# KiCad board mist.kicad_pcb (continued)
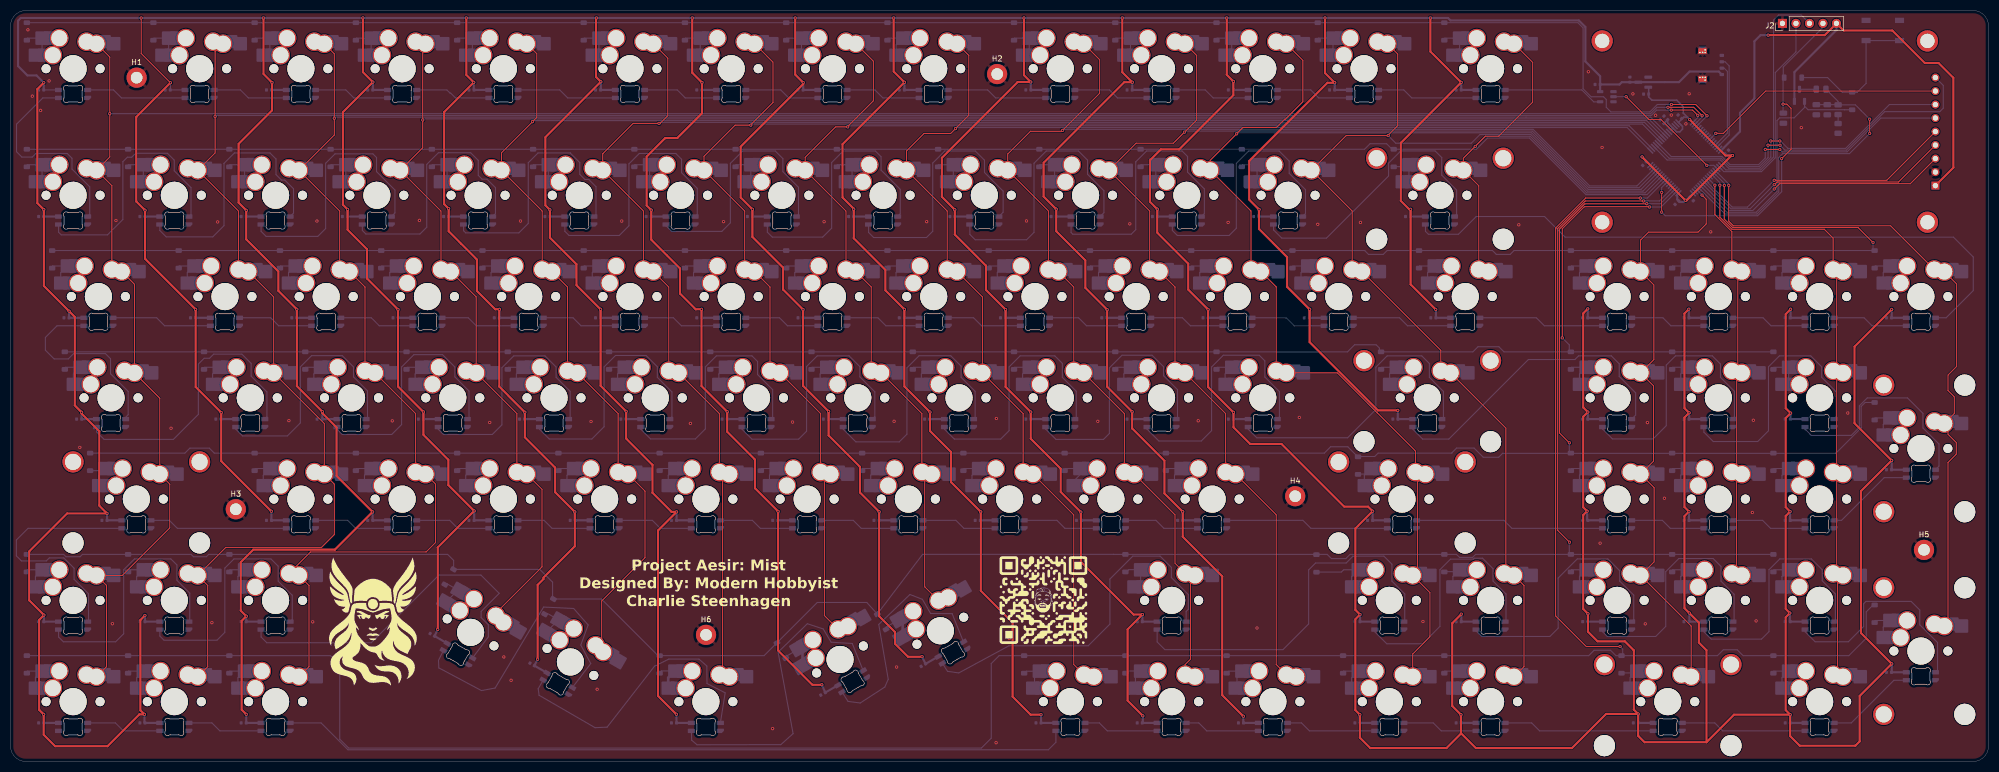
[diagram p0: board, top side]
## Placement (name value [footprint] x y rotation side) (continued)
LED88  choc_SK6812MINI-E  [LED_choc_6028R]  259.4 25.53 0 bottom
LED89  choc_SK6812MINI-E  [LED_choc_6028R]  278.45 25.53 0 bottom
LED90  choc_SK6812MINI-E  [LED_choc_6028R]  302.26 25.53 0 bottom
LED91  choc_SK6812MINI-E  [LED_choc_6028R]  321.31 25.53 0 bottom
LED92  choc_SK6812MINI-E  [LED_choc_6028R]  340.36 25.53 0 bottom
LED93  choc_SK6812MINI-E  [LED_choc_6028R]  11.75 6.48 0 bottom
LED94  choc_SK6812MINI-E  [LED_choc_6028R]  30.8 6.48 0 bottom
LED95  choc_SK6812MINI-E  [LED_choc_6028R]  49.85 6.48 0 bottom
LED96  choc_SK6812MINI-E  [LED_choc_6028R]  199.39 6.48 0 bottom
LED97  choc_SK6812MINI-E  [LED_choc_6028R]  218.44 6.48 0 bottom
LED98  choc_SK6812MINI-E  [LED_choc_6028R]  237.49 6.48 0 bottom
LED99  choc_SK6812MINI-E  [LED_choc_6028R]  259.4 6.48 0 bottom
LED100  choc_SK6812MINI-E  [LED_choc_6028R]  278.45 6.48 0 bottom
LED101  choc_SK6812MINI-E  [LED_choc_6028R]  311.79 6.48 0 bottom
LED102  choc_SK6812MINI-E  [LED_choc_6028R]  340.36 6.48 0 bottom
LED103  choc_SK6812MINI-E  [LED_choc_6028R]  359.41 16.01 0 bottom
Q3  MMUN2133LT1G  [SOT-23-3]  336.57 125.29 90 bottom
R7  120  [R_0805_2012Metric]  340.64 126.42 0 bottom
R8  68k  [R_0805_2012Metric]  343.84 122.58 90 bottom
R9  68k  [R_0805_2012Metric]  343.84 119.06 270 bottom
RESET1  DFU  [SW_SPST_TL3342]  352.25 137.49 180 bottom
S1  MX_stab  [STAB_MX_P_2.25u]  266.54 68.39 0 top
S2  MX_stab  [STAB_MX_P_2.75u]  261.77 49.33 0 top
S3  MX_stab  [STAB_MX_P_2.25u]  23.65 49.35 0 top
S4  MX_stab  [STAB_MX_P_2u]  268.93 106.47 0 top
S5  MX_stab  [STAB_MX_P_2u]  311.78 11.22 0 top
S6  MX_stab  [STAB_MX_P_2u]  359.4 58.86 90 top
S7  MX_stab  [STAB_MX_P_2u]  359.41 20.75 90 top
U3  XC6206PxxxMR-Regulator_Linear  [SOT-23]  307.18 127.76 180 bottom
U4  -  [CR2013-MI2120]  362.15 108.31 180 top
U5  STM32G474RETx  [LQFP-64_10x10mm_P0.5mm]  315.16 113.52 45 bottom
U6  SN74AHCT1G125DBVR  [SOT95P280X145-5N]  300.32 125.03 180 bottom

## Library data of the parts
C1-C103 = -: Description: Unpolarized capacitor; ki_fp_filters: C_*
C104-C110 C112 C127 C128 = -: LCSC: C307331; ki_fp_filters: C_*
C120 C121 C130 = -: ki_fp_filters: C_*
CH1-CH103 = -: Description: Push button switch, normally open, two pins, 45° tilted
D1-D39 D42-D105 = -: Description: Diode; Sim.Pins: 1=K 2=A; ki_fp_filters: TO-???* *_Diode_* *SingleDiode* D_*
D40 D41 = -: ki_fp_filters: TO-???* *_Diode_* *SingleDiode* D_*
H1-H6 = -: Description: Mounting Hole with connection; ki_fp_filters: MountingHole*Pad*
J1 = -: Manufacturer: MOLEX; LCSC Part Number: C588524; ki_fp_filters: Connector*:*_1x??-1MP*
J2 = -: Description: Generic connector, single row, 01x05, script generated (kicad-library-utils/schlib/autogen/connector/); ki_fp_filters: Connector*:*_1x??_*
LED1-LED103 = -: Description: Reverse mount adressable LED (WS2812 protocol)
R7-R9 = -: ki_fp_filters: R_*
S1-S7 = -: Description: Cherry MX-style stabilizer
U3 = -: Datasheet: https://www.torexsemi.com/file/xc6206/XC6206.pdf; LCSC: C5446; ki_fp_filters: SOT?23*
U4 = -: Datasheet: http://pan.baidu.com/s/11Y990; Description: ILI9341 controller, SPI TFT LCD Display, 9-pin breakout PCB, 4-pin SD card interface, 5V/3.3V; ki_fp_filters: *CR2013*MI2120*
U5 = -: Datasheet: https://www.st.com/resource/en/datasheet/stm32g474re.pdf; Description: STMicroelectronics Arm Cortex-M4 MCU, 512KB flash, 128KB RAM, 170 MHz, 1.71-3.6V, 52 GPIO, LQFP64; ki_fp_filters: LQFP*10x10mm*P0.5mm*
U6 = -: MF: Texas Instruments; Description_1: Single 4.5-V to 5.5-V buffer with TTL-compatible CMOS inputs and 3-state outputs; Package: SOT-23-5 Texas Instruments; Price: None; SnapEDA_Link: https://www.snapeda.com/parts/SN74AHCT1G125DBVR/Texas+Instruments/view-part/?ref=snap; Availability: In Stock; Check_prices: https://www.snapeda.com/parts/SN74AHCT1G125DBVR/Texas+Instruments/view-part/?ref=eda

## Footprints (pads in the part's own frame, mm; a bottom-side part is the same pattern mirrored in y, then rotated)
C_0402_1005Metric
  rrect 0.56x0.62 smd: 1(-0.48,0) 2(0.48,0)
C_0805_2012Metric
  rrect 1x1.45 smd: 1(-0.95,0) 2(0.95,0)
CR2013-MI2120
  round 4 hole 2.7: (1.5,6.89) (1.5,-27.21) (62.7,6.89) (62.7,-27.21)
  rect 1.5x1.5 hole 1: 1(0,0)
  round 1.5 hole 1: 2(0,-2.54) 3(0,-5.08) 4(0,-7.62) 5(0,-10.16) 6(0,-12.7) 7(0,-15.24) 8(0,-17.78) 9(0,-20.32)
D_SOD-123
  rrect 0.9x1.2 smd: 1(-1.65,0) 2(1.65,0)
KS-33_MX-Hotswap-1U
  round 1.702 hole 1.702 unplated: (-5.08,0) (5.08,0)
  round 3.988 hole 3.988 unplated: (0,0)
  round 5.1 hole 5.1 unplated: (0.005,0.005)
  round 3.5 hole 3: 1(2.54,-5.08) 1(4.405,-4.695) 2(-3.81,-2.54) 2(-2.595,-5.745)
  rrect 2.55x2.5 smd: 1(5.842,-5.08) 2(-7.085,-2.54)
  rrect 2.55x2.55 smd: 1(7.643,-4.695) 2(-5.832,-5.745)
  rrect 2.065x2.5 smd: 2(-5.603,-2.54)
  rrect 1.755x2.555 smd: 2(-4.638,-5.758)
LED_choc_6028R
  rrect 1.35x0.82 smd: 1(-2.725,-0.75) 2(-2.725,0.75) 3(2.725,-0.75) 4(2.725,0.75)
LQFP-64_10x10mm_P0.5mm
  rrect 1.55x0.3 smd: 1(-5.675,3.75) 2(-5.675,3.25) 3(-5.675,2.75) 4(-5.675,2.25) 5(-5.675,1.75) 6(-5.675,1.25) 7(-5.675,0.75) 8(-5.675,0.25) 9(-5.675,-0.25) 10(-5.675,-0.75) 11(-5.675,-1.25) 12(-5.675,-1.75) 13(-5.675,-2.25) 14(-5.675,-2.75) 15(-5.675,-3.25) 16(-5.675,-3.75) 33(5.675,-3.75) 34(5.675,-3.25) 35(5.675,-2.75) 36(5.675,-2.25) 37(5.675,-1.75) 38(5.675,-1.25) 39(5.675,-0.75) 40(5.675,-0.25) 41(5.675,0.25) 42(5.675,0.75) 43(5.675,1.25) 44(5.675,1.75) 45(5.675,2.25) 46(5.675,2.75) 47(5.675,3.25) 48(5.675,3.75)
  rrect 0.3x1.55 smd: 17(-3.75,-5.675) 18(-3.25,-5.675) 19(-2.75,-5.675) 20(-2.25,-5.675) 21(-1.75,-5.675) 22(-1.25,-5.675) 23(-0.75,-5.675) 24(-0.25,-5.675) 25(0.25,-5.675) 26(0.75,-5.675) 27(1.25,-5.675) 28(1.75,-5.675) 29(2.25,-5.675) 30(2.75,-5.675) 31(3.25,-5.675) 32(3.75,-5.675) 49(3.75,5.675) 50(3.25,5.675) 51(2.75,5.675) 52(2.25,5.675) 53(1.75,5.675) 54(1.25,5.675) 55(0.75,5.675) 56(0.25,5.675) 57(-0.25,5.675) 58(-0.75,5.675) 59(-1.25,5.675) 60(-1.75,5.675) 61(-2.25,5.675) 62(-2.75,5.675) 63(-3.25,5.675) 64(-3.75,5.675)
Molex_Pico-EZmate_78171-0004_1x04-1MP_P1.20mm_Vertical
  rrect 0.6x0.85 smd: 1(-1.8,1.875) 2(-0.6,1.875) 3(0.6,1.875) 4(1.8,1.875)
  rrect 0.7x0.8 smd: MP(-2.95,-1.9) MP(2.95,-1.9)
  round 0.6 hole 0.3: MP(-2.85,-1.25) MP(-2.35,-2.25) MP(-2.35,-1.75) MP(-2.35,-1.25) MP(2.35,-2.25) MP(2.35,-1.75) MP(2.35,-1.25) MP(2.85,-1.25)
  rrect 1.4x1.6 smd: MP(-2.75,-1.75) MP(2.75,-1.75)
  rrect 1.1x1.6 smd far side: MP(-2.6,-1.75) MP(2.6,-1.75)
MountingHole_2.2mm_M2_DIN965_Pad
  round 3.8 hole 2.2: 1(0,0)
PinHeader_1x05_P2.54mm_Vertical
  rect 1.7x1.7 hole 1: 1(0,0)
  oval 1.7x1.7 hole 1: 2(0,-2.54) 3(0,-5.08) 4(0,-7.62) 5(0,-10.16)
R_0805_2012Metric
  rrect 1.025x1.4 smd: 1(-0.912,0) 2(0.912,0)
SOT95P280X145-5N
  rrect 1.21x0.59 smd: 1(-1.255,0.95) 2(-1.255,0) 3(-1.255,-0.95) 4(1.255,-0.95) 5(1.255,0.95)
SOT-23
  rrect 1.475x0.6 smd: 1(-0.938,0.95) 2(-0.938,-0.95) 3(0.938,0)
SOT-23-3
  rrect 1.325x0.6 smd: 1(-1.137,0.95) 2(-1.137,-0.95) 3(1.137,0)
STAB_MX_P_2.25u
  round 4 hole 3.048: (-11.906,6.985) (11.906,6.985)
  round 3.988 hole 3.988 unplated: (-11.906,-8.255) (11.906,-8.255)
STAB_MX_P_2.75u
  round 4 hole 3.048: (-11.906,6.985) (11.906,6.985)
  round 3.988 hole 3.988 unplated: (-11.906,-8.255) (11.906,-8.255)
STAB_MX_P_2u
  round 4 hole 3.048: (-11.906,6.985) (11.906,6.985)
  round 3.988 hole 3.988 unplated: (-11.906,-8.255) (11.906,-8.255)
SW_SPST_TL3342
  rect 1.7x1 smd: 1(-3.15,1.9) 1(3.15,1.9) 2(-3.15,-1.9) 2(3.15,-1.9)

## Nets
+3V3: C104.1 C105.1 C106.1 C107.1 C108.1 C109.1 C110.1 C128.1 J2.5 Q3.2 U3.2 U4.1 U5.1 U5.16 U5.28 U5.29 U5.32 U5.48 U5.64
+5V: C1.1 C2.1 C3.1 C4.1 C5.1 C6.1 C7.1 C8.1 C9.1 C10.1 C11.1 C12.1 C13.1 C14.1 C15.1 C16.1 C17.1 C18.1 C19.1 C20.1 C21.1 C22.1 C23.1 C24.1 C25.1 C26.1 C27.1 C28.1 C29.1 C30.1 C31.1 C32.1 C33.1 C34.1 C35.1 C36.1 C37.1 C38.1 C39.1 C40.1 C41.1 C42.1 C43.1 C44.1 C45.1 C46.1 C47.1 C48.1 C49.1 C50.1 C51.1 C52.1 C53.1 C54.1 C55.1 C56.1 C57.1 C58.1 C59.1 C60.1 C61.1 C62.1 C63.1 C64.1 C65.1 C66.1 C67.1 C68.1 C69.1 C70.1 C71.1 C72.1 C73.1 C74.1 C75.1 C76.1 C77.1 C78.1 C79.1 C80.1 C81.1 C82.1 C83.1 C84.1 C85.1 C86.1 C87.1 C88.1 C89.1 C90.1 C91.1 C92.1 C93.1 C94.1 C95.1 C96.1 C97.1 C98.1 C99.1 C100.1 C101.1 C102.1 C103.1 C112.1 C127.1 J1.1 LED1.1 LED2.1 LED3.1 LED4.1 LED5.1 LED6.1 LED7.1 LED8.1 LED9.1 LED10.1 LED11.1 LED12.1 LED13.1 LED14.1 LED15.1 LED16.1 LED17.1 LED18.1 LED19.1 LED20.1 LED21.1 LED22.1 LED23.1 LED24.1 LED25.1 LED26.1 LED27.1 LED28.1 LED29.1 LED30.1 LED31.1 LED32.1 LED33.1 LED34.1 LED35.1 LED36.1 LED37.1 LED38.1 LED39.1 LED40.1 LED41.1 LED42.1 LED43.1 LED44.1 LED45.1 LED46.1 LED47.1 LED48.1 LED49.1 LED50.1 LED51.1 LED52.1 LED53.1 LED54.1 LED55.1 LED56.1 LED57.1 LED58.1 LED59.1 LED60.1 LED61.1 LED62.1 LED63.1 LED64.1 LED65.1 LED66.1 LED67.1 LED68.1 LED69.1 LED70.1 LED71.1 LED72.1 LED73.1 LED74.1 LED75.1 LED76.1 LED77.1 LED78.1 LED79.1 LED80.1 LED81.1 LED82.1 LED83.1 LED84.1 LED85.1 LED86.1 LED87.1 LED88.1 LED89.1 LED90.1 LED91.1 LED92.1 LED93.1 LED94.1 LED95.1 LED96.1 LED97.1 LED98.1 LED99.1 LED100.1 LED101.1 LED102.1 LED103.1 U3.3 U6.5
GND: C1.2 C2.2 C3.2 C4.2 C5.2 C6.2 C7.2 C8.2 C9.2 C10.2 C11.2 C12.2 C13.2 C14.2 C15.2 C16.2 C17.2 C18.2 C19.2 C20.2 C21.2 C22.2 C23.2 C24.2 C25.2 C26.2 C27.2 C28.2 C29.2 C30.2 C31.2 C32.2 C33.2 C34.2 C35.2 C36.2 C37.2 C38.2 C39.2 C40.2 C41.2 C42.2 C43.2 C44.2 C45.2 C46.2 C47.2 C48.2 C49.2 C50.2 C51.2 C52.2 C53.2 C54.2 C55.2 C56.2 C57.2 C58.2 C59.2 C60.2 C61.2 C62.2 C63.2 C64.2 C65.2 C66.2 C67.2 C68.2 C69.2 C70.2 C71.2 C72.2 C73.2 C74.2 C75.2 C76.2 C77.2 C78.2 C79.2 C80.2 C81.2 C82.2 C83.2 C84.2 C85.2 C86.2 C87.2 C88.2 C89.2 C90.2 C91.2 C92.2 C93.2 C94.2 C95.2 C96.2 C97.2 C98.2 C99.2 C100.2 C101.2 C102.2 C103.2 C104.2 C105.2 C106.2 C107.2 C108.2 C109.2 C110.2 C112.2 C120.1 C121.1 C127.2 C128.2 C130.1 H1.1 H2.1 H3.1 H4.1 H5.1 H6.1 J1.4 J1.MP J2.1 LED1.4 LED2.4 LED3.4 LED4.4 LED5.4 LED6.4 LED7.4 LED8.4 LED9.4 LED10.4 LED11.4 LED12.4 LED13.4 LED14.4 LED15.4 LED16.4 LED17.4 LED18.4 LED19.4 LED20.4 LED21.4 LED22.4 LED23.4 LED24.4 LED25.4 LED26.4 LED27.4 LED28.4 LED29.4 LED30.4 LED31.4 LED32.4 LED33.4 LED34.4 LED35.4 LED36.4 LED37.4 LED38.4 LED39.4 LED40.4 LED41.4 LED42.4 LED43.4 LED44.4 LED45.4 LED46.4 LED47.4 LED48.4 LED49.4 LED50.4 LED51.4 LED52.4 LED53.4 LED54.4 LED55.4 LED56.4 LED57.4 LED58.4 LED59.4 LED60.4 LED61.4 LED62.4 LED63.4 LED64.4 LED65.4 LED66.4 LED67.4 LED68.4 LED69.4 LED70.4 LED71.4 LED72.4 LED73.4 LED74.4 LED75.4 LED76.4 LED77.4 LED78.4 LED79.4 LED80.4 LED81.4 LED82.4 LED83.4 LED84.4 LED85.4 LED86.4 LED87.4 LED88.4 LED89.4 LED90.4 LED91.4 LED92.4 LED93.4 LED94.4 LED95.4 LED96.4 LED97.4 LED98.4 LED99.4 LED100.4 LED101.4 LED102.4 LED103.4 R9.2 RESET1.1 U3.1 U4.2 U5.15 U5.27 U5.31 U5.47 U5.63 U6.1 U6.3
BOOT0: C120.2 C121.2 R7.2 R8.2 U5.61
BOOT0_CHRG: D40.2 Q3.1 U5.60
col0: CH1.1 CH15.1 CH29.1 CH47.1 CH63.1 CH79.1 CH93.1 U5.34
col1: CH2.1 CH16.1 CH30.1 CH48.1 CH64.1 CH80.1 CH94.1 U5.33
col2: CH3.1 CH17.1 CH31.1 CH49.1 CH65.1 CH81.1 CH95.1 U5.26
col3: CH4.1 CH18.1 CH32.1 CH50.1 CH66.1 CH82.1 U5.25
col4: CH5.1 CH19.1 CH33.1 CH51.1 CH67.1 CH83.1 U5.24
col5: CH6.1 CH20.1 CH34.1 CH52.1 CH68.1 CH84.1 U5.23
col6: CH7.1 CH21.1 CH35.1 CH53.1 CH69.1 CH85.1 U5.22
col7: CH8.1 CH22.1 CH36.1 CH54.1 CH70.1 CH86.1 U5.18
col8: CH9.1 CH23.1 CH37.1 CH55.1 CH71.1 CH96.1 U5.17
col9: CH10.1 CH24.1 CH38.1 CH56.1 CH72.1 CH87.1 CH97.1 U5.14
col10: CH11.1 CH25.1 CH39.1 CH57.1 CH73.1 CH98.1 U5.13
col11: CH12.1 CH26.1 CH40.1 CH58.1 CH74.1 CH88.1 CH99.1 U5.12
col12: CH13.1 CH27.1 CH41.1 CH59.1 CH89.1 CH100.1 U5.11
col13: CH14.1 CH28.1 CH42.1 U5.10
col14: CH43.1 CH60.1 CH75.1 CH90.1 CH101.1 U5.62
col15: CH44.1 CH61.1 CH76.1 CH91.1 U5.56
col16: CH45.1 CH62.1 CH77.1 CH92.1 CH102.1 U5.54
col17: CH46.1 CH78.1 CH103.1 U5.52
D+: J1.3 U5.46
D-: J1.2 U5.45
DOut1: LED1.2 LED15.3
DOut2: LED28.2 LED46.3
DOut3: LED29.2 LED47.3
DOut4: LED62.2 LED78.3
DOut5: LED63.2 LED79.3
DOut6: LED92.2 LED103.3
LCD_BL_PWM: U4.8 U5.42
LCD_CS: U4.3 U5.59
LCD_DC: U4.5 U5.57
LCD_MISO: U4.9 U5.20
LCD_MOSI: U4.6 U5.21
LCD_RST: U4.4 U5.58
LCD_SCK: U4.7 U5.19
NRST: C130.2 D41.2 J2.4 U5.7
RGB3.3: U5.51 U6.2
RGB5v: LED14.3 U6.4
row0: D1.1 D2.1 D3.1 D4.1 D5.1 D6.1 D7.1 D8.1 D9.1 D10.1 D11.1 D12.1 D13.1 D14.1 U5.35
row1: D15.1 D16.1 D17.1 D18.1 D19.1 D20.1 D21.1 D22.1 D23.1 D24.1 D25.1 D26.1 D27.1 D28.1 U5.9
row2: D29.1 D30.1 D31.1 D32.1 D33.1 D34.1 D35.1 D36.1 D37.1 D38.1 D39.1 D42.1 D43.1 D44.1 D45.1 D46.1 D47.1 D48.1 U5.53
row3: D49.1 D50.1 D51.1 D52.1 D53.1 D54.1 D55.1 D56.1 D57.1 D58.1 D59.1 D60.1 D61.1 D62.1 D63.1 D64.1 U5.2
row4: D65.1 D66.1 D67.1 D68.1 D69.1 D70.1 D71.1 D72.1 D73.1 D74.1 D75.1 D76.1 D77.1 D78.1 D79.1 D80.1 U5.3
row5: D81.1 D82.1 D83.1 D84.1 D85.1 D86.1 D87.1 D88.1 D89.1 D90.1 D91.1 D92.1 D93.1 D94.1 U5.4
row6: D95.1 D96.1 D97.1 D98.1 D99.1 D100.1 D101.1 D102.1 D103.1 D104.1 D105.1 U5.8
SWCLK: J2.2 U5.50
SWD: J2.3 U5.49
Net-(D1-A): CH1.2 D1.2
Net-(D2-A): CH2.2 D2.2
Net-(D3-A): CH3.2 D3.2
Net-(D4-A): CH4.2 D4.2
Net-(D5-A): CH5.2 D5.2
Net-(D6-A): CH6.2 D6.2
Net-(D7-A): CH7.2 D7.2
Net-(D8-A): CH8.2 D8.2
Net-(D9-A): CH9.2 D9.2
Net-(D10-A): CH10.2 D10.2
Net-(D11-A): CH11.2 D11.2
Net-(D12-A): CH12.2 D12.2
Net-(D13-A): CH13.2 D13.2
Net-(D14-A): CH14.2 D14.2
Net-(D15-A): CH15.2 D15.2
Net-(D16-A): CH16.2 D16.2
Net-(D17-A): CH17.2 D17.2
Net-(D18-A): CH18.2 D18.2
Net-(D19-A): CH19.2 D19.2
Net-(D20-A): CH20.2 D20.2
Net-(D21-A): CH21.2 D21.2
Net-(D22-A): CH22.2 D22.2
Net-(D23-A): CH23.2 D23.2
Net-(D24-A): CH24.2 D24.2
Net-(D25-A): CH25.2 D25.2
Net-(D26-A): CH26.2 D26.2
Net-(D27-A): CH27.2 D27.2
Net-(D28-A): CH28.2 D28.2
Net-(D29-A): CH29.2 D29.2
Net-(D30-A): CH30.2 D30.2
Net-(D31-A): CH31.2 D31.2
Net-(D32-A): CH32.2 D32.2
Net-(D33-A): CH33.2 D33.2
Net-(D34-A): CH34.2 D34.2
Net-(D35-A): CH35.2 D35.2
Net-(D36-A): CH36.2 D36.2
Net-(D37-A): CH37.2 D37.2
Net-(D38-A): CH38.2 D38.2
Net-(D39-A): CH39.2 D39.2
Net-(D40-K): D40.1 D41.1 RESET1.2
Net-(D42-A): CH40.2 D42.2
Net-(D43-A): CH41.2 D43.2
Net-(D44-A): CH42.2 D44.2
Net-(D45-A): CH43.2 D45.2
Net-(D46-A): CH44.2 D46.2
Net-(D47-A): CH45.2 D47.2
Net-(D48-A): CH46.2 D48.2
Net-(D49-A): CH47.2 D49.2
Net-(D50-A): CH48.2 D50.2
Net-(D51-A): CH49.2 D51.2
Net-(D52-A): CH50.2 D52.2
Net-(D53-A): CH51.2 D53.2
Net-(D54-A): CH52.2 D54.2
Net-(D55-A): CH53.2 D55.2
Net-(D56-A): CH54.2 D56.2
Net-(D57-A): CH55.2 D57.2
Net-(D58-A): CH56.2 D58.2
Net-(D59-A): CH57.2 D59.2
Net-(D60-A): CH58.2 D60.2
Net-(D61-A): CH59.2 D61.2
Net-(D62-A): CH60.2 D62.2
Net-(D63-A): CH61.2 D63.2
Net-(D64-A): CH62.2 D64.2
Net-(D65-A): CH63.2 D65.2
Net-(D66-A): CH64.2 D66.2
Net-(D67-A): CH65.2 D67.2
Net-(D68-A): CH66.2 D68.2
Net-(D69-A): CH67.2 D69.2
Net-(D70-A): CH68.2 D70.2
Net-(D71-A): CH69.2 D71.2
Net-(D72-A): CH70.2 D72.2
Net-(D73-A): CH71.2 D73.2
Net-(D74-A): CH72.2 D74.2
Net-(D75-A): CH73.2 D75.2
Net-(D76-A): CH74.2 D76.2
Net-(D77-A): CH75.2 D77.2
Net-(D78-A): CH76.2 D78.2
Net-(D79-A): CH77.2 D79.2
Net-(D80-A): CH78.2 D80.2
Net-(D81-A): CH79.2 D81.2
Net-(D82-A): CH80.2 D82.2
Net-(D83-A): CH81.2 D83.2
Net-(D84-A): CH82.2 D84.2
Net-(D85-A): CH83.2 D85.2
Net-(D86-A): CH84.2 D86.2
Net-(D87-A): CH85.2 D87.2
Net-(D88-A): CH86.2 D88.2
Net-(D89-A): CH87.2 D89.2
Net-(D90-A): CH88.2 D90.2
Net-(D91-A): CH89.2 D91.2
Net-(D92-A): CH90.2 D92.2
Net-(D93-A): CH91.2 D93.2
Net-(D94-A): CH92.2 D94.2
Net-(D95-A): CH93.2 D95.2
Net-(D96-A): CH94.2 D96.2
Net-(D97-A): CH95.2 D97.2
Net-(D98-A): CH96.2 D98.2
Net-(D99-A): CH97.2 D99.2
Net-(D100-A): CH98.2 D100.2
Net-(D101-A): CH99.2 D101.2
Net-(D102-A): CH100.2 D102.2
Net-(D103-A): CH101.2 D103.2
Net-(D104-A): CH102.2 D104.2
Net-(D105-A): CH103.2 D105.2
Net-(LED1-DIN): LED1.3 LED2.2
Net-(LED2-DIN): LED2.3 LED3.2
Net-(LED3-DIN): LED3.3 LED4.2
Net-(LED4-DIN): LED4.3 LED5.2
Net-(LED5-DIN): LED5.3 LED6.2
Net-(LED6-DIN): LED6.3 LED7.2
Net-(LED7-DIN): LED7.3 LED8.2
Net-(LED8-DIN): LED8.3 LED9.2
Net-(LED10-DIN): LED10.3 LED11.2
Net-(LED10-DOUT): LED9.3 LED10.2
Net-(LED11-DIN): LED11.3 LED12.2
Net-(LED12-DIN): LED12.3 LED13.2
Net-(LED13-DIN): LED13.3 LED14.2
Net-(LED15-DOUT): LED15.2 LED16.3
Net-(LED16-DOUT): LED16.2 LED17.3
Net-(LED17-DOUT): LED17.2 LED18.3
Net-(LED18-DOUT): LED18.2 LED19.3
Net-(LED19-DOUT): LED19.2 LED20.3
Net-(LED20-DOUT): LED20.2 LED21.3
Net-(LED21-DOUT): LED21.2 LED22.3
Net-(LED22-DOUT): LED22.2 LED23.3
Net-(LED23-DOUT): LED23.2 LED24.3
Net-(LED24-DOUT): LED24.2 LED25.3
Net-(LED25-DOUT): LED25.2 LED26.3
Net-(LED26-DOUT): LED26.2 LED27.3
Net-(LED27-DOUT): LED27.2 LED28.3
Net-(LED29-DIN): LED29.3 LED30.2
Net-(LED30-DIN): LED30.3 LED31.2
Net-(LED31-DIN): LED31.3 LED32.2
Net-(LED32-DIN): LED32.3 LED33.2
Net-(LED33-DIN): LED33.3 LED34.2
Net-(LED34-DIN): LED34.3 LED35.2
Net-(LED35-DIN): LED35.3 LED36.2
Net-(LED36-DIN): LED36.3 LED37.2
Net-(LED37-DIN): LED37.3 LED38.2
Net-(LED38-DIN): LED38.3 LED39.2
Net-(LED39-DIN): LED39.3 LED40.2
Net-(LED40-DIN): LED40.3 LED41.2
Net-(LED41-DIN): LED41.3 LED42.2
Net-(LED42-DIN): LED42.3 LED43.2
Net-(LED43-DIN): LED43.3 LED44.2
Net-(LED44-DIN): LED44.3 LED45.2
Net-(LED45-DIN): LED45.3 LED46.2
Net-(LED47-DOUT): LED47.2 LED48.3
Net-(LED48-DOUT): LED48.2 LED49.3
Net-(LED49-DOUT): LED49.2 LED50.3
Net-(LED50-DOUT): LED50.2 LED51.3
Net-(LED51-DOUT): LED51.2 LED52.3
Net-(LED52-DOUT): LED52.2 LED53.3
Net-(LED53-DOUT): LED53.2 LED54.3
Net-(LED54-DOUT): LED54.2 LED55.3
Net-(LED55-DOUT): LED55.2 LED56.3
Net-(LED56-DOUT): LED56.2 LED57.3
Net-(LED57-DOUT): LED57.2 LED58.3
Net-(LED58-DOUT): LED58.2 LED59.3
Net-(LED59-DOUT): LED59.2 LED60.3
Net-(LED60-DOUT): LED60.2 LED61.3
Net-(LED61-DOUT): LED61.2 LED62.3
Net-(LED63-DIN): LED63.3 LED64.2
Net-(LED64-DIN): LED64.3 LED65.2
Net-(LED65-DIN): LED65.3 LED66.2
Net-(LED66-DIN): LED66.3 LED67.2
Net-(LED67-DIN): LED67.3 LED68.2
Net-(LED68-DIN): LED68.3 LED69.2
Net-(LED69-DIN): LED69.3 LED70.2
Net-(LED70-DIN): LED70.3 LED71.2
Net-(LED71-DIN): LED71.3 LED72.2
Net-(LED72-DIN): LED72.3 LED73.2
Net-(LED73-DIN): LED73.3 LED74.2
Net-(LED74-DIN): LED74.3 LED75.2
Net-(LED75-DIN): LED75.3 LED76.2
Net-(LED76-DIN): LED76.3 LED77.2
Net-(LED77-DIN): LED77.3 LED78.2
Net-(LED79-DOUT): LED79.2 LED80.3
Net-(LED80-DOUT): LED80.2 LED81.3
Net-(LED81-DOUT): LED81.2 LED82.3
Net-(LED82-DOUT): LED82.2 LED83.3
Net-(LED83-DOUT): LED83.2 LED84.3
Net-(LED84-DOUT): LED84.2 LED85.3
Net-(LED85-DOUT): LED85.2 LED86.3
Net-(LED86-DOUT): LED86.2 LED87.3
Net-(LED87-DOUT): LED87.2 LED88.3
Net-(LED88-DOUT): LED88.2 LED89.3
Net-(LED89-DOUT): LED89.2 LED90.3
Net-(LED90-DOUT): LED90.2 LED91.3
Net-(LED91-DOUT): LED91.2 LED92.3
Net-(LED93-DIN): LED93.3 LED94.2
Net-(LED94-DIN): LED94.3 LED95.2
Net-(LED95-DIN): LED95.3 LED96.2
Net-(LED96-DIN): LED96.3 LED97.2
Net-(LED97-DIN): LED97.3 LED98.2
Net-(LED98-DIN): LED98.3 LED99.2
Net-(LED100-DIN): LED100.3 LED101.2
Net-(LED100-DOUT): LED99.3 LED100.2
Net-(LED101-DIN): LED101.3 LED102.2
Net-(LED102-DIN): LED102.3 LED103.2
Net-(Q3-C): Q3.3 R7.1
Net-(R8-Pad1): R8.1 R9.1

Pads without a net: LED93 2; U5 5 6 30 36 37 38 39 40 41 43 44 55

## Via types
v1: diameter 0.6, hole 0.3, Top to Bottom, 234 vias

## Routing (per net, layer and track width the routed paths; a pad name or vN(x,y) marks a point on that pad's centre or on a via; arc(x,y) is an arc through that point)
+3V3: length 174.5
  Top w0.4: v1(315.91,120.74) 316.72,119.93 316.72,119.89 322.64,113.97 v1(323.97,113.97) 323.8,113.97 315.38,105.55 v1(315.11,105.55) 315.1,105.55 306.95,113.7 v1(306.95,113.71) ; U4.1 365.53,111.69 365.53,128.58 362.74,131.37 360.15,131.37 354.04,137.48 344.87,137.48 J2.5 341.32,136.61 v1(330.68,136.61)
  Bottom w0.3: U5.29 311.76,120.1 C106.1 C107.1 311.15,120.01 U5.28 U5.29 ; U5.29 313.46,118.41 314.05,118.41 314.56,118.92 314.56,119.44 313.81,120.19 U5.32 314.8,121.19 315.46,121.19 v1(315.91,120.74) 314.7,121.95 314.7,123.15 313.48,124.37 308.81,124.37 308.2,124.98 C128.1 308.2,126.73 U3.2
  Bottom w0.4: v1(330.68,136.61) 329.25,136.61 328.09,135.45 328.09,124.7 325.38,121.99 325.38,118.47 321.82,114.92 U5.48 322.74,113.97 v1(323.97,113.97) ; U5.1 313.57,106.63 313.57,105.71 C110.1 314.06,105.22 314.78,105.22 v1(315.11,105.55) 315.21,105.55 U5.64 ; v1(306.95,113.71) 306.95,113.71 U5.16 ; J2.5 343.53,137.57 335.62,129.66 Q3.2 335.55,124.22
+5V: length 3231.3
  Top w0.2: v1(24.57,139.84) 24.57,133.16 v1(30.07,127.66)
  Top w0.4: v1(296.74,85.13) 295.88,84.26 295.88,66.58 v1(296.75,65.71) 295.88,64.83 295.88,47.8 v1(296.62,47.06) 295.88,46.31 295.88,28.67 v1(296.77,27.78) 296.77,24.4 298.59,22.58 303.71,22.58 305.4,20.88 305.4,9.73 v1(306.22,8.92) ; v1(315.75,85.06) 314.93,84.23 314.93,66.45 v1(315.81,65.57) 314.93,64.68 314.93,47.84 v1(315.78,46.99) 314.93,46.13 314.93,28.82 v1(315.85,27.9) 317.64,26.11 317.64,22.35 319.07,20.92 319.07,3.61 ; v1(6.23,127.66) 5.02,126.45 5.02,105.02 v1(6.25,103.8) 6.25,89.43 v1(10.99,84.69) 12.07,83.61 12.07,66.96 v1(13.36,65.67) 13.36,65.41 16.68,62.09 16.68,48.1 v1(18.14,46.64) 10.64,46.64 3.5,39.5 3.5,30.29 v1(6.27,27.52) 5.36,26.61 5.36,9.7 v1(6.22,8.85) 6.22,5 8.36,2.86 18.23,2.86 24.22,8.85 v1(25.18,8.85) 24.41,9.61 24.41,26.59 v1(25.27,27.45) ; v1(209.16,139.84) 209.16,129.63 v1(211.04,127.75) 209.51,127.75 194.35,112.59 194.35,106.26 v1(196.73,103.88) 196.73,99.73 202.21,94.25 202.21,89.08 v1(206.31,84.98) 206.31,70.47 v1(211.01,65.77) 211.01,62.63 217.09,56.55 217.09,50.4 v1(220.53,46.96) 220.53,42.25 227.96,34.82 227.96,12.46 v1(231.93,8.49) ; v1(44.33,8.85) 43.46,9.71 43.46,26.43 v1(44.34,27.31) 43.29,28.36 43.29,37.46 45.66,39.82 61.01,39.82 v1(68.11,46.93) 61.32,53.71 61.32,62.82 58.65,65.5 v1(58.65,65.79) 53.85,70.59 v1(53.85,85.04) 50.37,88.52 50.37,92.15 44.33,98.19 v1(44.33,103.66) 42.89,105.1 42.89,116.16 49.18,122.45 v1(49.18,127.7) 47.57,129.31 v1(47.57,139.84) ; v1(268.13,85.01) 263.4,89.74 v1(263.4,103.85) 263.14,103.85 261.55,105.44 261.55,116.34 v1(272.93,127.72) 267.13,133.52 v1(267.13,139.84) ; v1(99.15,19.22) 99.15,33.19 100.26,34.3 100.26,34.57 106.15,40.46 v1(106.15,46.93) 102.45,50.63 102.45,55.26 96.75,60.96 v1(96.75,65.68) 91.94,70.49 v1(91.94,85.04) 91.18,85.04 87.73,88.49 87.73,94.4 82.41,99.72 v1(82.41,103.98) 81.56,104.82 81.56,122.14 v1(87.14,127.72) 85.74,129.12 v1(85.74,139.84) ; v1(334.82,8.79) 333.98,9.63 333.98,27.11 v1(334.76,27.9) 333.98,28.68 333.98,46.16 v1(334.8,46.99) 333.98,47.81 333.98,64.59 v1(334.89,65.51) 333.98,66.42 333.98,84.13 v1(334.9,85.06) ; v1(334.82,8.79) 324.25,8.79 319.07,3.61 ; v1(334.82,8.79) 334.82,4.75 336.62,2.95 347.09,2.95 347.9,3.76 347.9,12.31 v1(353.93,18.34) 348.14,24.12 348.14,50.84 v1(353.92,56.62) 346.93,63.61 346.93,78.02 v1(353.92,85.01) ; 319.07,3.61 307.42,3.61 306.22,4.81 v1(306.22,8.92) ; v1(128.25,139.84) 128.25,129.53 v1(130.08,127.7) 130.08,121.9 125.43,117.25 123.16,117.25 119.66,113.75 119.66,104.56 v1(120.53,103.7) 120.53,98.14 125.94,92.73 125.94,87.99 128.89,85.04 v1(129.99,85.04) 129.99,70.6 v1(134.82,65.77) 134.82,62 140.04,56.78 140.04,51.38 v1(144.4,47.02) 144.4,20.86 150.85,14.41 v1(152.63,14.41) ; v1(272.88,8.79) 271.24,10.43 271.24,25.99 v1(272.95,27.7) ; v1(272.88,8.79) 272.88,5.22 270.16,2.5 255.82,2.5 253.86,4.46 v1(253.86,8.79) 253.01,9.63 253.01,26.74 v1(253.89,27.62) 253.01,28.49 253.01,43.81 v1(256.26,47.06) 255.4,47.92 250.91,47.92 239.12,59.71 233.22,59.71 230.08,62.85 v1(230.08,65.65) 225.3,70.43 v1(225.3,85.01) 221.57,88.74 221.57,93.62 215.74,99.45 v1(215.74,103.88) 214.36,105.26 214.36,113.05 216.44,115.13 219.87,115.13 230.06,125.32 v1(230.06,127.9) 228.81,129.15 v1(228.81,139.84) ; v1(272.88,8.79) 272.88,5.3 275.68,2.5 293.76,2.5 300.18,8.92 v1(306.22,8.92) ; v1(66.28,139.84) 66.28,129.65 v1(68.16,127.77) 62.51,122.12 62.51,104.71 v1(63.4,103.83) 63.4,100 67.05,96.35 67.05,90.84 v1(72.88,85.01) 72.88,70.52 v1(77.67,65.73) 77.67,61.43 82.36,56.74 82.36,51.97 v1(87.22,47.11) 80.36,40.25 v1(80.36,24.82) ; v1(247.3,139.84) 247.3,129.48 v1(249.13,127.65) 247.76,127.65 233.05,112.94 233.05,105.66 v1(234.89,103.82) 234.89,100.16 240.18,94.87 240.18,89.27 v1(244.41,85.04) 244.41,78.88 257.27,66.02 v1(261,66.02) ; v1(213.02,8.57) 210.15,11.43 210.15,24.83 v1(212.94,27.62) 211.29,27.62 201.36,37.55 v1(201.36,46.89) 197.57,50.68 197.57,55.06 191.93,60.7 v1(191.93,65.71) 187.2,70.44 v1(187.2,84.99) 183.51,88.68 183.51,93.25 177.65,99.11 v1(177.65,103.77) 175.21,106.21 175.21,113.53 189.47,127.79 v1(191.94,127.79) 190.65,129.08 v1(190.65,139.84) ; v1(171.49,19.69) 168.84,19.69 166.39,22.14 166.39,24.32 163.41,27.3 v1(163.41,46.96) 159.8,50.57 159.8,55.41 153.9,61.31 v1(153.9,65.84) 149.09,70.65 v1(149.09,85) 145.34,88.75 145.34,92.88 139.57,98.65 v1(139.57,103.85) 137.36,106.06 137.36,115.63 149.12,127.39 v1(149.12,127.69) 147.62,129.19 v1(147.62,139.84) ; v1(110.23,139.84) 110.14,139.75 110.14,128.75 v1(111.05,127.84) 100.61,117.4 100.61,104.6 v1(101.47,103.75) 101.47,98.51 106.46,93.52 106.46,89.58 v1(111,85.04) 111,70.65 v1(115.81,65.84) 115.81,60.73 120.76,55.78 120.76,50.52 124.35,46.93 v1(125.3,46.93) 121.8,43.43 121.8,12.32 v1(125.26,8.86) ; v1(193.87,8.78) 191.91,8.78 188.52,12.17 188.52,26.1 182.53,32.09 v1(182.53,46.93) 176.94,52.52 176.94,58.2 172.98,62.16 v1(172.98,65.71) 168.16,70.53 v1(168.16,85.03) 164.58,88.61 164.58,92.45 158.63,98.4 v1(158.63,103.86) 158.63,103.97 156.52,106.08 156.52,116.09 v1(168.17,127.74) 166.14,129.77 v1(166.14,139.84) ; v1(30.07,127.66) 23.64,121.23 23.64,105.32 v1(25.29,103.67) 25.29,94.55 v1(34.81,85.03) 34.81,70.43 v1(39.62,65.62) 39.62,56.49 v1(49.06,47.05)
  Bottom w0.2: 34.81,83.44 34.8,83.43 ; 311.23,127.77 311.22,127.76 ; 311.22,127.76 311.24,127.78 ; v1(30.07,127.66) 30.07,126.32 C2.1 LED2.1 ; 299.06,127.32 C112.1 ; C1.1 LED1.1
  Bottom w0.4: LED101.1 C101.1 306.22,7.28 v1(306.22,8.92) ; v1(225.3,85.01) 225.3,85 C40.1 LED40.1 ; LED73.1 C73.1 220.53,45.35 v1(220.53,46.96) ; LED53.1 C53.1 134.82,64.39 v1(134.82,65.77) ; LED18.1 C18.1 63.38,103.81 v1(63.4,103.83) ; v1(34.81,85.03) 34.81,83.44 ; LED15.1 C15.1 6.25,102.5 v1(6.25,103.8) ; U6.5 299.06,127.32 ; LED90.1 C90.1 296.77,26.31 v1(296.77,27.78) ; v1(125.3,46.93) 125.3,45.34 C68.1 LED68.1 ; v1(171.49,19.69) C86.1 LED86.1 ; 34.8,83.43 LED30.1 ; v1(201.36,46.89) 201.36,45.47 C72.1 LED72.1 ; v1(130.08,127.7) 130.08,126.32 C7.1 LED7.1 ; LED5.1 C5.1 87.14,126.35 v1(87.14,127.72) ; v1(163.41,46.96) 163.41,45.35 C70.1 LED70.1 ; LED47.1 C47.1 13.36,64.4 v1(13.36,65.67) ; LED76.1 C76.1 315.78,45.35 v1(315.78,46.99) ; LED10.1 C10.1 191.94,126.32 v1(191.94,127.79) ; LED13.1 C13.1 249.13,126.31 v1(249.13,127.65) ; v1(49.18,127.7) 49.18,126.38 C3.1 LED3.1 ; LED38.1 187.2,83.43 187.2,84.98 v1(187.2,84.99) ; v1(334.8,46.99) 334.8,45.38 C77.1 LED77.1 ; LED25.1 C25.1 v1(196.73,103.88) ; v1(44.34,27.31) 44.34,26.29 C81.1 LED81.1 ; v1(215.74,103.88) 215.78,103.84 C26.1 LED26.1 ; v1(25.29,103.67) 25.28,103.66 C16.1 LED16.1 ; v1(334.76,27.9) 334.76,26.37 C92.1 LED92.1 ; LED84.1 C84.1 v1(125.26,8.86) ; v1(261,66.02) 261,64.41 C59.1 LED59.1 ; LED41.1 244.35,83.43 244.35,84.98 v1(244.41,85.04) ; LED9.1 C9.1 168.17,126.31 v1(168.17,127.74) ; LED99.1 C99.1 253.86,7.25 v1(253.86,8.79) ; LED14.1 C14.1 v1(272.93,127.72) ; v1(296.75,65.71) 296.75,64.39 C60.1 LED60.1 ; LED88.1 C88.1 253.89,26.29 v1(253.89,27.62) ; LED19.1 C19.1 82.43,103.96 v1(82.41,103.98) ; LED94.1 C94.1 25.18,7.33 v1(25.18,8.85) ; v1(111,85.04) 111,85.03 C34.1 LED34.1 ; LED95.1 C95.1 v1(44.33,8.85) ; v1(206.31,84.98) 206.25,84.92 C39.1 LED39.1 ; LED21.1 C21.1 v1(120.53,103.7) ; LED67.1 C67.1 106.15,45.43 v1(106.15,46.93) ; v1(315.81,65.57) 315.81,64.4 C61.1 LED61.1 ; v1(53.85,85.04) 53.85,83.44 C31.1 LED31.1 ; 237.62,102.48 C27.1 234.83,103.76 v1(234.89,103.82) ; LED55.1 C55.1 172.98,64.45 v1(172.98,65.71) ; v1(334.9,85.06) 334.9,83.49 C45.1 LED45.1 ; LED33.1 C33.1 91.94,83.45 v1(91.94,85.04) ; v1(149.09,85) 149.1,84.98 149.1,83.43 LED36.1 ; LED82.1 C82.1 v1(80.36,24.82) ; v1(6.27,27.52) 6.27,26.32 C79.1 LED79.1 ; v1(87.22,47.11) 87.22,45.36 C66.1 LED66.1 ; v1(68.16,127.77) 68.16,126.31 C4.1 LED4.1 ; v1(44.33,103.66) C17.1 LED17.1 ; v1(191.93,65.71) 191.93,64.42 C56.1 LED56.1 ; v1(158.63,103.86) C23.1 LED23.1 ; LED58.1 C58.1 230.08,64.4 v1(230.08,65.65) ; v1(211.01,65.77) 211.01,64.39 C57.1 LED57.1 ; v1(177.65,103.77) 177.68,103.74 C24.1 180.47,102.48 ; v1(101.47,103.75) 101.48,103.74 C20.1 LED20.1 ; v1(315.85,27.9) 315.85,26.34 C91.1 LED91.1 ; v1(256.26,47.06) 256.26,45.34 C74.1 LED74.1 ; v1(144.4,47.02) 144.4,45.39 C69.1 LED69.1 ; v1(149.12,127.69) 149.12,126.31 149.1,126.3 LED8.1 ; LED83.1 C83.1 v1(99.15,19.22) ; LED93.1 C93.1 6.22,7.24 v1(6.22,8.85) ; v1(296.74,85.13) 296.74,83.44 C43.1 LED43.1 ; v1(315.75,85.06) 315.75,83.48 C44.1 LED44.1 ; v1(72.88,85.01) 72.9,84.98 C32.1 LED32.1 ; v1(230.06,127.9) 230.06,126.3 C12.1 LED12.1 ; LED42.1 C42.1 268.17,84.97 v1(268.13,85.01) ; LED49.1 C49.1 58.65,64.42 v1(58.65,65.79) ; LED28.1 C28.1 263.4,103.84 v1(263.4,103.85) ; LED103.1 C103.1 353.93,16.8 v1(353.93,18.34) ; LED62.1 C62.1 334.89,64.43 v1(334.89,65.51) ; LED71.1 C71.1 182.53,45.42 v1(182.53,46.93) ; LED85.1 C85.1 v1(152.63,14.41) ; LED89.1 C89.1 272.95,26.3 v1(272.95,27.7) ; LED100.1 C100.1 272.88,7.28 v1(272.88,8.79) ; v1(129.99,85.04) 129.99,83.5 C35.1 LED35.1 ; v1(115.81,65.84) 115.81,64.43 C52.1 LED52.1 ; 196.73,7.23 193.94,7.23 ; v1(139.57,103.85) 139.57,102.49 C22.1 LED22.1 ; LED63.1 C63.1 18.14,45.34 v1(18.14,46.64) ; LED98.1 C98.1 231.93,7.28 v1(231.93,8.49) ; v1(111.05,127.84) 111.05,126.34 C6.1 LED6.1 ; LED65.1 C65.1 68.11,45.37 v1(68.11,46.93) ; v1(193.87,8.78) 193.87,7.29 ; C1.1 v1(6.23,127.66) 6.23,127.67 4.87,129.03 3.16,129.03 1.4,130.79 1.4,139.33 1.91,139.84 v1(24.57,139.84) v1(47.57,139.84) v1(66.28,139.84) v1(85.74,139.84) v1(128.25,139.84) v1(147.62,139.84) v1(166.14,139.84) v1(190.65,139.84) v1(209.16,139.84) v1(228.81,139.84) v1(247.3,139.84) v1(267.13,139.84) 270.44,139.84 270.9,139.37 295.06,139.37 296.29,138.14 296.29,131.66 299.07,128.88 C112.1 302.71,127.33 303.14,127.76 C127.1 304.66,127.76 U3.3 306.25,127.77 313.9,127.77 315.89,129.76 321.39,129.76 J1.1 ; v1(296.62,47.06) 296.62,45.46 C75.1 LED75.1 ; v1(10.99,84.69) 10.99,83.44 C29.1 LED29.1 ; LED37.1 C37.1 168.15,85.02 v1(168.16,85.03) ; LED54.1 C54.1 153.9,64.42 v1(153.9,65.84) ; LED48.1 C48.1 39.62,64.44 v1(39.62,65.62) ; v1(353.92,85.01) 353.92,83.46 C46.1 LED46.1 ; v1(25.27,27.45) 25.27,26.29 C80.1 LED80.1 ; v1(213.02,8.57) 213.02,7.23 LED97.1 ; v1(212.94,27.62) 212.94,26.28 LED87.1 ; LED64.1 C64.1 49.06,45.37 v1(49.06,47.05) ; v1(77.67,65.73) 77.67,64.39 C50.1 LED50.1 ; v1(96.75,65.68) 96.75,64.42 C51.1 LED51.1 ; v1(353.92,56.62) 353.92,54.89 C78.1 LED78.1 ; v1(334.82,8.79) 334.82,7.26 C102.1 LED102.1 ; LED11.1 C11.1 211.04,126.32 v1(211.04,127.75)
